# KiCad board AICORS_PCB.kicad_pcb (continued)
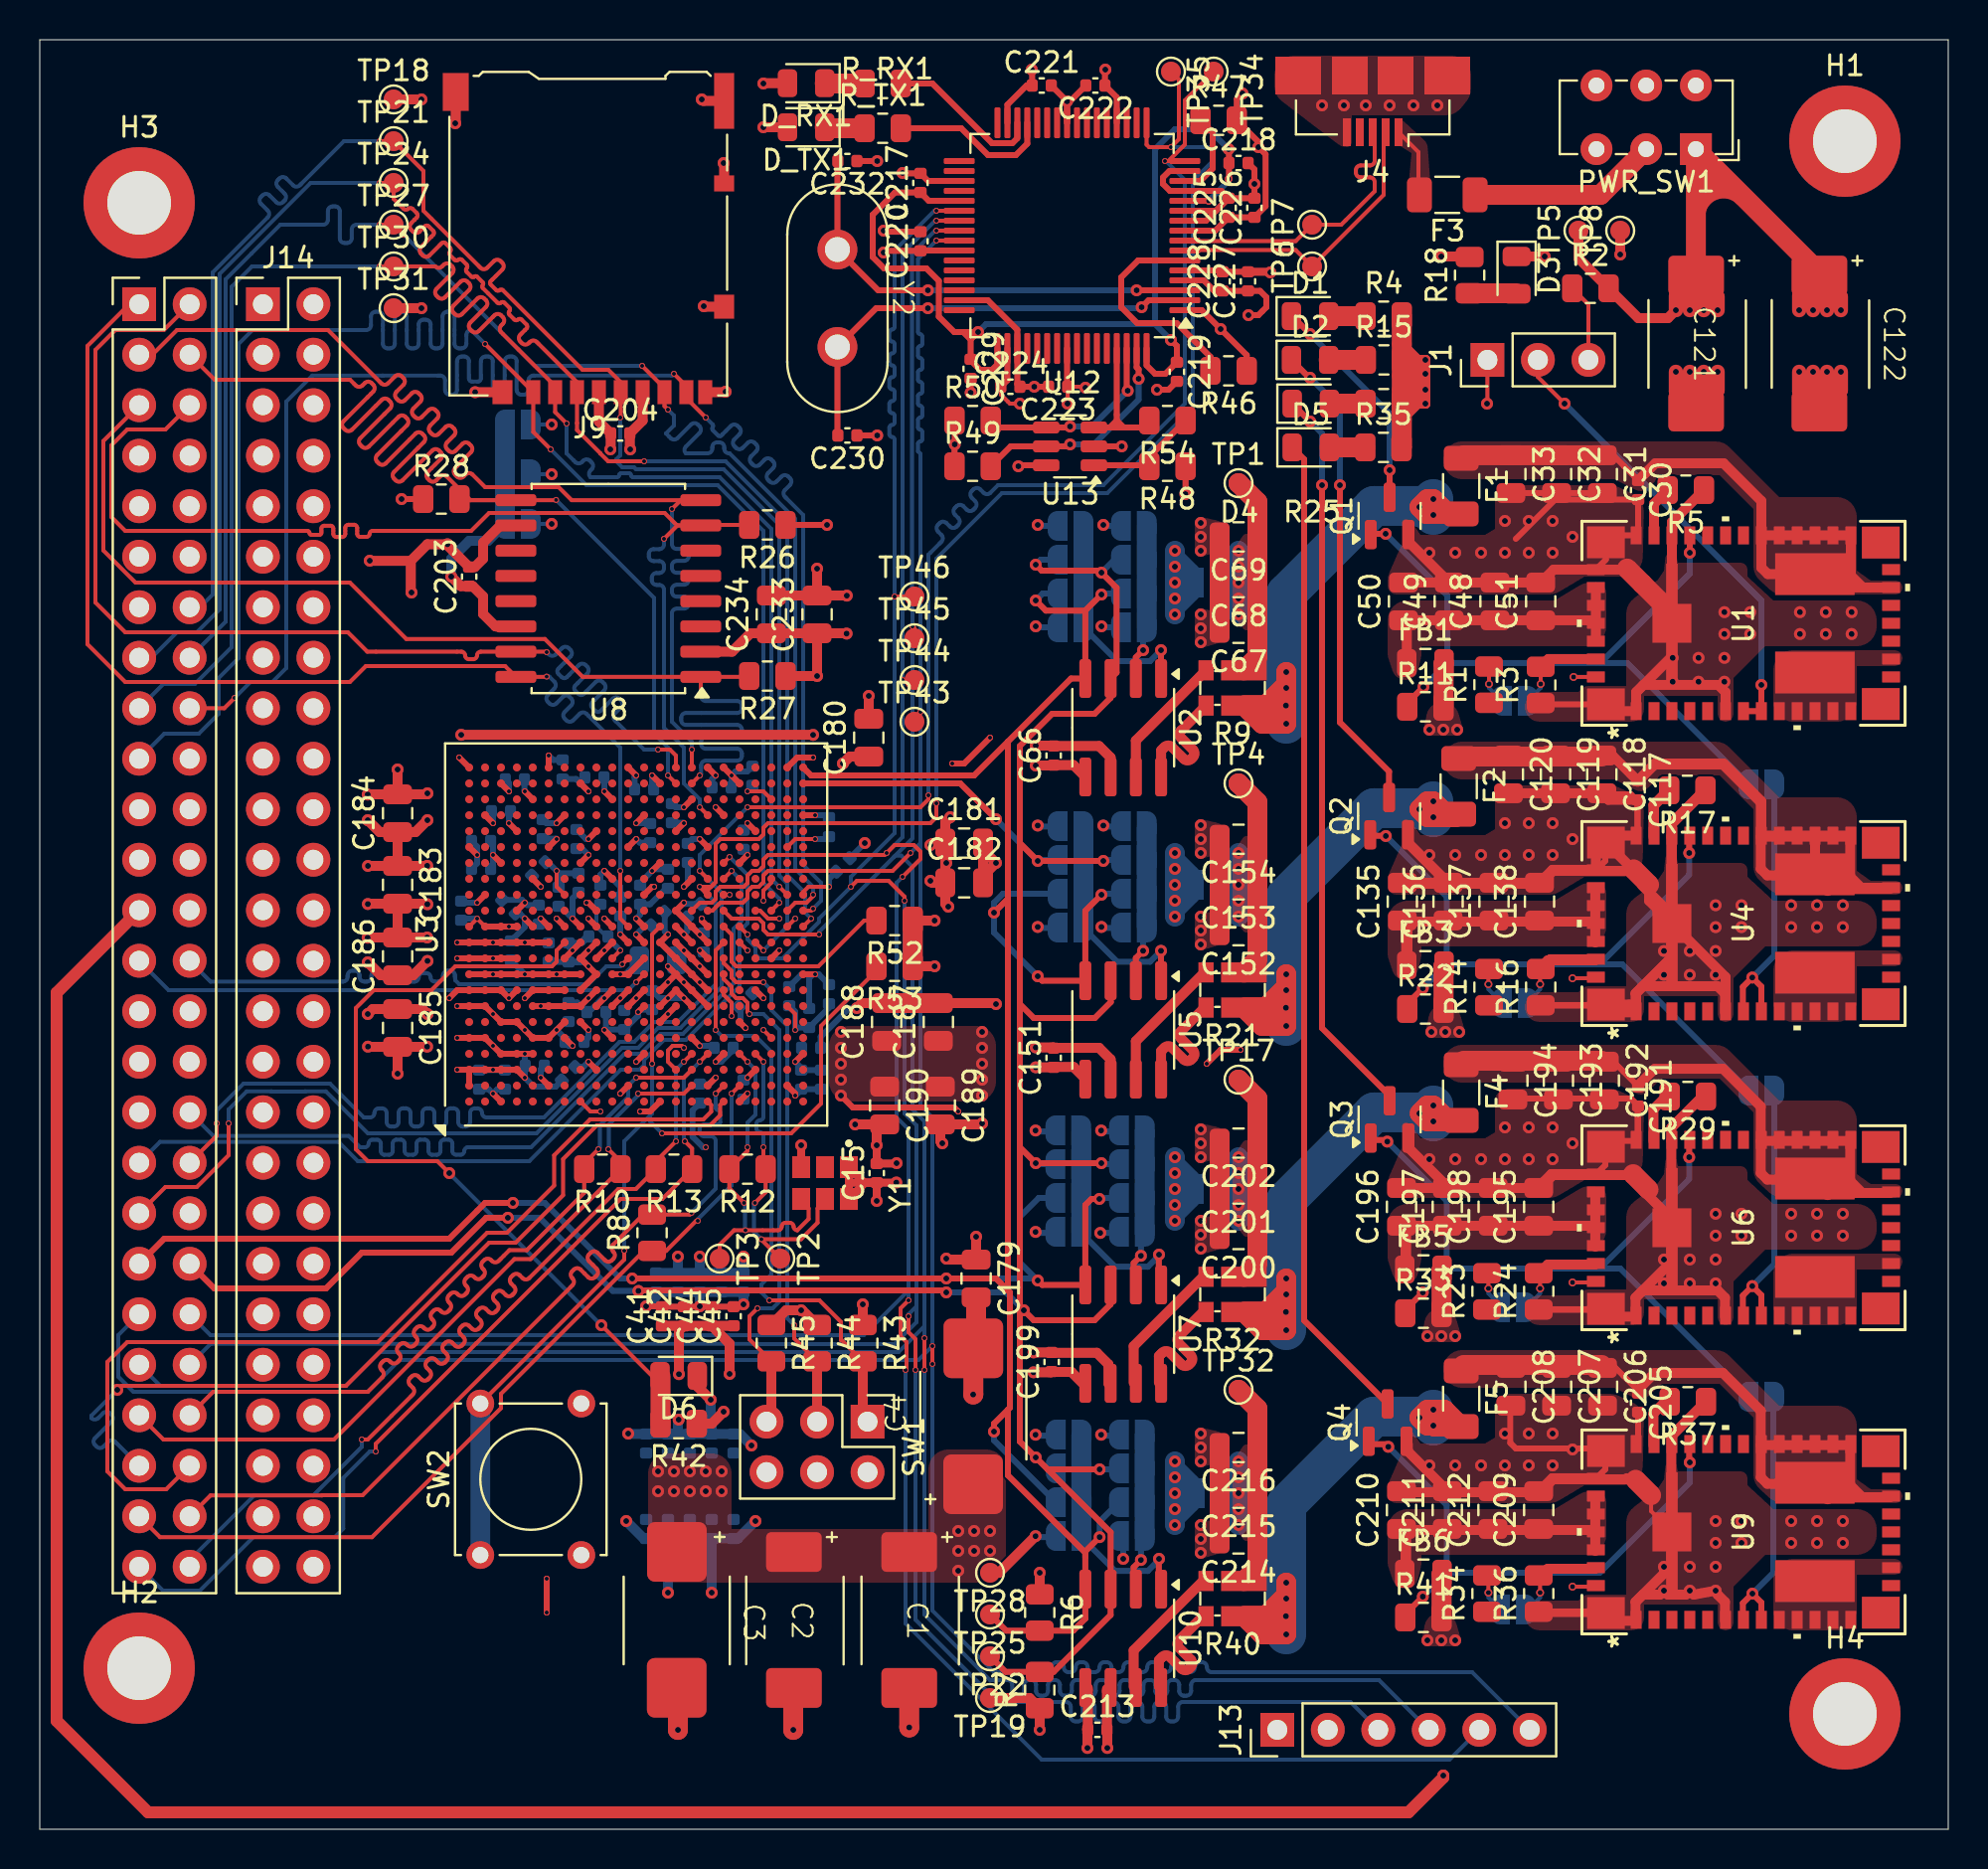
[diagram p0: board, top side]
## Footprints (pads in the part's own frame, mm; a bottom-side part is the same pattern mirrored in y, then rotated) (continued)
XTAL_AX3DAF1-100.0000T
  rect 1.1x0.9 smd: 1(-0.8,1.2) 2(-0.8,0) 3(-0.8,-1.2) 4(0.8,-1.2) 5(0.8,0) 6(0.8,1.2)

## Nets
1V8_VOLTAGE_EN: JP6.1 U6.8 U6.9
1V8_VOLTAGE_TRIM: R23.1
1V_VOLTAGE_EN: JP12.1 U9.8 U9.9
1V_VOLTAGE_TRIM: R34.1
2V5_VOLTAGE_EN: JP3.1 U4.8 U4.9
2V5_VOLTAGE_TRIM: R14.1
3V3_VOLTAGE_EN: J1.2 U1.8 U1.9
3V3_VOLTAGE_TRIM: R1.1
+1.8V: C88.1 C89.1 C90.1 C91.1 C92.1 C93.1 C94.1 C155.1 C156.1 C157.1 C158.1 C159.1 C160.1 C167.1 C168.1 C169.1 C170.1 C171.1 C172.1 C179.1 C180.1 C181.1 C182.1 J10.22 JP9.2 JP11.2 U3.A17 U3.B14 U3.C1 U3.C21 U3.D18 U3.E12 U3.E15 U3.F2 U3.F22 U3.H6 U3.H12 U3.J3 U3.K12 U3.M4 U3.M12 U3.N1 U3.P12 U3.R11 U6.44
+2.5V: C95.1 C96.1 C97.1 C98.1 C99.1 C106.1 C107.1 C108.1 C109.1 C110.1 C187.1 C188.1 C189.1 C190.1 J10.23 JP5.2 U3.AA7 U3.AB4 U3.R5 U3.T2 U3.V6 U3.W3 U4.44
+3.3V: C15.1 C66.1 C123.1 C124.1 C125.1 C126.1 C127.1 C128.1 C139.1 C140.1 C141.1 C142.1 C143.1 C144.1 C151.1 C183.1 C184.1 C185.1 C186.1 C199.1 C204.1 C213.1 C220.1 C221.1 C222.1 C223.1 C224.1 C225.1 C226.1 C227.1 C228.1 C231.1 C233.1 C234.1 D_RX1.2 D_TX1.2 J2.1 J3.1 J5.1 J6.1 J7.1 J8.1 J9.4 J10.13 J10.24 J10.38 J11.1 J12.1 J13.1 JP2.2 JP8.2 R6.1 R7.1 R26.1 R27.1 R28.1 R42.1 R47.2 R48.1 R49.1 R50.1 R52.1 R53.1 SW1.2 SW1.4 SW1.6 TP18.1 TP19.1 U1.44 U2.5 U3.AA17 U3.AB14 U3.F12 U3.G19 U3.H16 U3.J13 U3.K20 U3.L17 U3.M14 U3.N21 U3.P18 U3.R15 U3.T12 U3.T22 U3.U8 U3.U19 U3.V16 U3.W13 U3.Y10 U3.Y20 U5.5 U7.5 U8.2 U10.5 U12.4 U12.9 U12.20 U12.31 U12.42 U12.50 U12.56 U13.6 Y1.1 Y1.6
+5V: C121.1 C122.1 FB1.2 FB3.2 FB5.2 FB6.2 J10.25 PWR_SW1.1 R2.2 R4.2 R11.2 R15.2 R18.2 R22.2 R25.2 R33.2 R35.2 R41.2 TP5.1
/VCCADC: C86.1 C87.1 U3.K10
AGND: FB4.1 U3.K9 U3.L9 U3.M10
AGND_1: NT1.2 R3.1 R5.1 U1.1 U1.2 U1.7 U1.34 U1.45
AGND_2: NT5.2 R24.1 R29.1 U6.1 U6.2 U6.7 U6.34 U6.45
AGND_3: NT3.2 R16.1 R17.1 U4.1 U4.2 U4.7 U4.34 U4.45
AGND_4: NT6.2 R36.1 R37.1 U9.1 U9.2 U9.7 U9.34 U9.45
GND: C1.2 C2.2 C3.2 C4.2 C15.2 C16.2 C17.2 C18.2 C19.2 C20.2 C21.2 C22.2 C23.2 C24.2 C25.2 C26.2 C27.2 C28.2 C29.2 C30.2 C31.2 C32.2 C33.2 C34.2 C35.2 C36.2 C37.2 C38.2 C39.2 C40.2 C41.2 C42.2 C43.2 C44.2 C45.2 C46.2 C47.2 C48.2 C49.2 C50.2 C51.2 C66.2 C67.2 C68.2 C69.2 C86.2 C87.2 C88.2 C89.2 C90.2 C91.2 C92.2 C93.2 C94.2 C95.2 C96.2 C97.2 C98.2 C99.2 C106.2 C107.2 C108.2 C109.2 C110.2 C117.2 C118.2 C119.2 C120.2 C121.2 C122.2 C123.2 C124.2 C125.2 C126.2 C127.2 C128.2 C135.2 C136.2 C137.2 C138.2 C139.2 C140.2 C141.2 C142.2 C143.2 C144.2 C151.2 C152.2 C153.2 C154.2 C155.2 C156.2 C157.2 C158.2 C159.2 C160.2 C167.2 C168.2 C169.2 C170.2 C171.2 C172.2 C179.2 C180.2 C181.2 C182.2 C183.2 C184.2 C185.2 C186.2 C187.2 C188.2 C189.2 C190.2 C191.2 C192.2 C193.2 C194.2 C195.2 C196.2 C197.2 C198.2 C199.2 C200.2 C201.2 C202.2 C203.2 C204.2 C205.2 C206.2 C207.2 C208.2 C209.2 C210.2 C211.2 C212.2 C213.2 C214.2 C215.2 C216.2 C217.2 C218.2 C219.2 C220.2 C221.2 C222.2 C223.2 C224.2 C225.2 C226.2 C227.2 C228.2 C229.2 C230.1 C231.2 C232.1 C233.2 C234.2 D3.1 D6.1 FB4.2 H1.1 H2.1 H3.1 H4.1 J1.1 J2.4 J3.4 J4.5 J4.6 J5.4 J6.4 J7.4 J8.4 J9.6 J9.9 J9.10 J9.11 J10.20 J10.26 J10.33 J11.4 J12.4 J13.2 JP10.2 NT1.1 NT3.1 NT5.1 NT6.1 Q1.2 Q2.2 Q3.2 Q4.2 R43.1 R44.1 R45.1 R46.1 SW2.2 TP8.1 TP28.1 TP31.1 U1.36 U1.37 U1.38 U2.6 U3.A2 U3.A3 U3.A5 U3.A7 U3.A8 U3.A9 U3.A10 U3.A11 U3.A12 U3.A22 U3.AA2 U3.AA12 U3.AA22 U3.AB9 U3.AB19 U3.B3 U3.B5 U3.B7 U3.B8 U3.B9 U3.B10 U3.B11 U3.B12 U3.B19 U3.C3 U3.C4 U3.C6 U3.C8 U3.C9 U3.C10 U3.C11 U3.C12 U3.C16 U3.D3 U3.D4 U3.D6 U3.D8 U3.D9 U3.D10 U3.D11 U3.D12 U3.D13 U3.E4 U3.E5 U3.E7 U3.E8 U3.E9 U3.E11 U3.E20 U3.F5 U3.F7 U3.F8 U3.F9 U3.F11 U3.F17 U3.G5 U3.G6 U3.G7 U3.G8 U3.G9 U3.G10 U3.G12 U3.G14 U3.H1 U3.H7 U3.H9 U3.H11 U3.H21 U3.J8 U3.J10 U3.J12 U3.J18 U3.K5 U3.K7 U3.K11 U3.K15 U3.L2 U3.L8 U3.L22 U3.M7 U3.M11 U3.M19 U3.N6 U3.N8 U3.N16 U3.P3 U3.P7 U3.P9 U3.P11 U3.P13 U3.R8 U3.R10 U3.R12 U3.R20 U3.T7 U3.T9 U3.T11 U3.T17 U3.U4 U3.U14 U3.U22 U3.V1 U3.V11 U3.V21 U3.W8 U3.W18 U3.Y5 U3.Y15 U4.36 U4.37 U4.38 U5.6 U6.36 U6.37 U6.38 U7.6 U8.10 U9.36 U9.37 U9.38 U10.6 U12.1 U12.5 U12.10 U12.11 U12.13 U12.15 U12.25 U12.35 U12.47 U12.51 U13.2 Y1.3
VCCINT: C1.1 C2.1 C3.1 C4.1 C16.1 C17.1 C18.1 C19.1 C20.1 C21.1 C22.1 C23.1 C24.1 C25.1 C26.1 C27.1 C28.1 C29.1 C34.1 C35.1 C36.1 C37.1 C38.1 C39.1 C40.1 C41.1 C42.1 C43.1 C44.1 C45.1 C46.1 C47.1 J10.21 JP14.2 U3.H8 U3.H10 U3.J7 U3.J9 U3.J11 U3.K8 U3.L7 U3.L11 U3.M8 U3.N7 U3.N11 U3.P8 U3.P10 U3.R7 U3.R9 U3.T8 U3.T10 U9.44
ADC_IN_N: J10.27 U3.M9
ADC_IN_P: J10.28 U3.L10
ADC_P_1: U3.J16
ADC_P_2: U3.J14
ADC_P_3: U3.J22
ADC_P_4: U3.K21
FPAG_M0: R43.2 SW1.1 U3.U11
FPGA_DONE: D6.2 R42.2 U3.G11
FPGA_M1: R44.2 SW1.3 U3.U10
FPGA_M2: R45.2 SW1.5 U3.U9
IIC_SCL: J2.3 J3.3 J5.3 J6.3 J7.3 J8.3 J10.39 J11.3 J12.3 R6.2 TP25.1 U2.4 U3.AB22 U5.4 U7.4 U10.4
IIC_SDA: J2.2 J3.2 J5.2 J6.2 J7.2 J8.2 J10.40 J11.2 J12.2 R7.2 TP22.1 U2.3 U3.AB21 U5.3 U7.3 U10.3
JTAG_TCK: J10.44 J13.3 TP46.1 U3.V12 U12.38
JTAG_TDI: J10.42 J13.5 TP44.1 U3.R13 U12.39
JTAG_TDO: J10.43 J13.4 TP45.1 U3.U13 U12.40
JTAG_TMS: J10.41 J13.6 TP43.1 U3.T13 U12.41
PWR_GOOD_1V: Q4.1 R41.1 U9.33
PWR_GOOD_1V8: JP12.2 Q3.1 R33.1 U6.33
PWR_GOOD_2V5: JP6.2 Q2.1 R22.1 U4.33
PWR_GOOD_3V3: JP3.2 Q1.1 R11.1 U1.33
SD_CLK_SPI_3_SCK: J9.5 J10.14 TP21.1 U3.W11
SD_CMD_SPI_3_MOSI: J9.3 J10.15 TP24.1 U3.AB12
SD_DAT0_SPI_3_MISO: J9.7 J10.16 TP27.1 U3.AA13
SD_DAT1: J9.8 J10.18 U3.AB13
SD_DAT2: J9.1 J10.19 U3.Y13
SD_DAT3_SPI_3_CS: J9.2 J10.17 TP30.1 U3.AA14
SPI_1_CS_FLASH: J10.6 R26.2 U3.T19 U8.7
SPI_1_IO2: J10.4 R28.2 U3.P21 U8.9
SPI_1_IO3: J10.5 R27.2 U3.R21 U8.1
SPI_1_MISO_IO1: J10.3 U3.R22 U8.8
SPI_1_MOSI_IO0: J10.2 U3.P22 U8.15
SPI_1_SCK: J10.1 U3.L12 U8.16
SPI_2_CS: U3.AA21
SPI_2_MISO_IO1: U3.AA20
SPI_2_MOSI_IO0: U3.W22
SPI_2_SCK: U3.W21
SPI_CS_N: J10.45 R10.1 U3.R2
SPI_CS_P: J10.46 R10.2 U3.R3
SPI_MISO_IO1_N: J10.47 U3.U1
SPI_MISO_IO1_P: J10.48 U3.T1
SPI_MOSI_IO0_N: J10.49 R8.1 U3.V2
SPI_MOSI_IO0_P: J10.50 R8.2 U3.U2
SPI_SCK_N: J10.51 R13.1 U3.T4
SPI_SCK_P: J10.52 R13.2 U3.R4
SYS_CLK_N: R12.1 TP2.1 U3.W4 Y1.5
SYS_CLK_P: R12.2 TP3.1 U3.V4 Y1.4
UART_1_RX: J10.36 TP35.1 U3.T14 U12.17
UART_1_TX: J10.37 TP34.1 U3.T15 U12.16
UART_2_RX: J10.34 U3.U15
UART_2_TX: J10.35 U3.U16
USB_1V8: C217.1 C218.1 C219.1 C229.1 U12.12 U12.37 U12.49 U12.64
USB_DATA_N: J4.2 TP6.1 U12.7
USB_DATA_P: J4.3 TP7.1 U12.8
Net-(C30-Pad1): C30.1 C31.1 C32.1 C33.1 F1.1 U1.21 U1.24 U1.25 U1.26 U1.27 U1.28 U1.29 U1.47
Net-(C117-Pad1): C117.1 C118.1 C119.1 C120.1 F2.1 U4.21 U4.24 U4.25 U4.26 U4.27 U4.28 U4.29 U4.47
Net-(C191-Pad1): C191.1 C192.1 C193.1 C194.1 F4.1 U6.21 U6.24 U6.25 U6.26 U6.27 U6.28 U6.29 U6.47
Net-(C205-Pad1): C205.1 C206.1 C207.1 C208.1 F5.1 U9.21 U9.24 U9.25 U9.26 U9.27 U9.28 U9.29 U9.47
Net-(D1-A): D1.2 R4.1
Net-(D1-K): D1.1 Q1.3
Net-(D2-A): D2.2 R15.1
Net-(D2-K): D2.1 Q2.3
Net-(D3-A): D3.2 R18.1
Net-(D4-A): D4.2 R25.1
Net-(D4-K): D4.1 Q3.3
Net-(D5-A): D5.2 R35.1
Net-(D5-K): D5.1 Q4.3
Net-(D_RX1-K): D_RX1.1 R_RX1.1
Net-(D_TX1-K): D_TX1.1 R_TX1.1
Net-(F1-Pad2): F1.2 R9.1
Net-(F2-Pad2): F2.2 R21.1
Net-(F4-Pad2): F4.2 R32.1
Net-(F5-Pad2): F5.2 R40.1
Net-(J1-Pin_3): J1.3 R2.1
Net-(J4-VBUS): F3.2 J4.1
Net-(JP1-A): JP1.1 R3.2 U1.43
Net-(JP1-B): JP1.2 R1.2
Net-(JP2-A): C67.1 C68.1 C69.1 JP2.1 R9.4 TP1.1
Net-(JP4-A): JP4.1 R16.2 U4.43
Net-(JP4-B): JP4.2 R14.2
Net-(JP5-A): C152.1 C153.1 C154.1 JP5.1 R21.4 TP4.1
Net-(JP7-A): JP7.1 R24.2 U6.43
Net-(JP7-B): JP7.2 R23.2
Net-(JP10-A): C203.1 JP8.1 JP9.1 JP10.1 U8.14
Net-(JP11-A): C200.1 C201.1 C202.1 JP11.1 R32.4 TP17.1
Net-(JP13-A): JP13.1 R36.2 U9.43
Net-(JP13-B): JP13.2 R34.2
Net-(JP14-A): C214.1 C215.1 C216.1 JP14.1 R40.4 TP32.1
Net-(PWR_SW1-B): F3.1 PWR_SW1.2
Net-(U1-PH-Pad10): U1.10 U1.11 U1.12 U1.13 U1.14 U1.17 U1.46
Net-(U1-RT/CLK): R5.2 U1.35
Net-(U1-VIN): C48.1 C49.1 C50.1 C51.1 FB1.1 U1.39 U1.40 U1.41 U1.42
Net-(U2-A0): J3.5 U2.2
Net-(U2-A1): J2.5 U2.1
Net-(U2-IN+): R9.2 U2.8
Net-(U2-IN-): R9.3 U2.7
Net-(U3F-INIT_B_0): R52.2 U3.U12
Net-(U3F-PROGRAM_B_0): R53.2 SW2.1 U3.N12
Net-(U4-PH-Pad10): U4.10 U4.11 U4.12 U4.13 U4.14 U4.17 U4.46
Net-(U4-RT/CLK): R17.2 U4.35
Net-(U4-VIN): C135.1 C136.1 C137.1 C138.1 FB3.1 U4.39 U4.40 U4.41 U4.42
Net-(U5-A0): J6.5 U5.2
Net-(U5-A1): J5.5 U5.1
Net-(U5-IN+): R21.2 U5.8
Net-(U5-IN-): R21.3 U5.7
Net-(U6-PH-Pad10): U6.10 U6.11 U6.12 U6.13 U6.14 U6.17 U6.46
Net-(U6-RT/CLK): R29.2 U6.35
Net-(U6-VIN): C195.1 C196.1 C197.1 C198.1 FB5.1 U6.39 U6.40 U6.41 U6.42
Net-(U7-A0): J8.5 U7.2
Net-(U7-A1): J7.5 U7.1
Net-(U7-IN+): R32.2 U7.8
Net-(U7-IN-): R32.3 U7.7
Net-(U9-PH-Pad10): U9.10 U9.11 U9.12 U9.13 U9.14 U9.17 U9.46
Net-(U9-RT/CLK): R37.2 U9.35
Net-(U9-VIN): C209.1 C210.1 C211.1 C212.1 FB6.1 U9.39 U9.40 U9.41 U9.42
Net-(U10-A0): J12.5 U10.2
Net-(U10-A1): J11.5 U10.1
Net-(U10-IN+): R40.2 U10.8
Net-(U10-IN-): R40.3 U10.7
Net-(U12-ACBUS3): R_TX1.2 U12.29
Net-(U12-ACBUS4): R_RX1.2 U12.30
Net-(U12-EECLK): R50.2 U12.62 U13.4
Net-(U12-EECS): R49.2 U12.63 U13.5
Net-(U12-EEDATA): R54.2 U12.61 U13.3
Net-(U12-OSCI): C230.2 U12.2 Y2.2
Net-(U12-OSCO): C232.2 U12.3 Y2.1
Net-(U12-REF): R46.2 U12.6
Net-(U12-~{RESET}): R47.1 U12.14
Net-(U13-DO): R48.2 R54.1 U13.1

Pads without a net: J4 4; J10 7 8 9 10 11 12 29 30 31 32; J14 1 2 3 4 5 6 7 8 9 10 11 12 13 14 15 16 17 18 19 20 21 22 23 24 25 26 27 28 29 30 31 32 33 34 35 36 37 38 39 40 41 42 43 44 45 46 47 48 49 50 51 52; PWR_SW1 3 4 5 6; U1 3 4 5 6 15 16 18 19 20 22 23 30 31 32; U3 A1 A4 A6 A13 A14 A15 A16 A18 A19 A20 A21 AA1 AA3 AA4 AA5 AA6 AA8 AA9 AA10 AA11 AA15 AA16 AA18 AA19 AB1 AB2 AB3 AB5 AB6 AB7 AB8 AB10 AB11 AB15 AB16 AB17 AB18 AB20 B1 B2 B4 B6 B13 B15 B16 B17 B18 B20 B21 B22 C2 C5 C7 C13 C14 C15 C17 C18 C19 C20 C22 D1 D2 D5 D7 D14 D15 D16 D17 D19 D20 D21 D22 E1 E2 E3 E6 E10 E13 E14 E16 E17 E18 E19 E21 E22 F1 F3 F4 F6 F10 F13 F14 F15 F16 F18 F19 F20 F21 G1 G2 G3 G4 G13 G15 G16 G17 G18 G20 G21 G22 H2 H3 H4 H5 H13 H14 H15 H17 H18 H19 H20 H22 J1 J2 J4 J5 J6 J15 J17 J19 J20 J21 K1 K2 K3 K4 K6 K13 K14 K16 K17 K18 K19 K22 L1 L3 L4 L5 L6 L13 L14 L15 L16 L18 L19 L20 L21 M1 M2 M3 M5 M6 M13 M15 M16 M17 M18 M20 M21 M22 N2 N3 N4 N5 N9 N10 N13 N14 N15 N17 N18 N19 N20 N22 P1 P2 P4 P5 P6 P14 P15 P16 P17 P19 P20 R1 R6 R14 R16 R17 R18 R19 T3 T5 T6 T16 T18 T20 T21 U3 U5 U6 U7 U17 U18 U20 U21 V3 V5 V7 V8 V9 V10 V13 V14 V15 V17 V18 V19 V20 V22 W1 W2 W5 W6 W7 W9 W10 W12 W14 W15 W16 W17 W19 W20 Y1 Y2 Y3 Y4 Y6 Y7 Y8 Y9 Y11 Y12 Y14 Y16 Y17 Y18 Y19 Y21 Y22; U4 3 4 5 6 15 16 18 19 20 22 23 30 31 32; U6 3 4 5 6 15 16 18 19 20 22 23 30 31 32; U8 3 4 5 6 11 12 13; U9 3 4 5 6 15 16 18 19 20 22 23 30 31 32; U12 18 19 21 22 23 24 26 27 28 32 33 34 36 43 44 45 46 48 52 53 54 55 57 58 59 60; Y1 2

## Via types
v1: diameter 0.3, hole 0.2, Top to Bottom, 237 vias
v2: diameter 0.6, hole 0.3, Top to Bottom, 457 vias
v3: diameter 0.4, hole 0.25, Top to Bottom, 14 vias
v4: diameter 0.5, hole 0.3, Top to Bottom, 20 vias

## Routing (per net, layer and track width the routed paths; a pad name or vN(x,y) marks a point on that pad's centre or on a via; arc(x,y) is an arc through that point)
1V8_VOLTAGE_EN: length 13.7
  Top w0.3: 85.67,25.78 85.67,26.84 v2(86.14,27.32) 86.6,26.86 U6.9
  Bottom w0.3: v2(86.14,27.32) 87.25,28.42 JP6.1
1V_VOLTAGE_EN: length 13.4
  Top w0.3: 85.67,10.48 85.67,11.37 v2(86.15,11.85) 86.6,11.4 U9.9
  Bottom w0.3: v2(86.15,11.85) 87.2,12.9 87.2,21.7 JP12.1
2V5_VOLTAGE_EN: length 14
  Top w0.3: U4.9 86.6,42.38 v2(86.14,42.84) 85.67,42.36 85.67,41.08
  Bottom w0.3: v2(86.14,42.84) 87.25,43.94 JP3.1
3V3_VOLTAGE_EN: length 23.2
  Top w0.2: v2(76.7,71.7) 75.36,73.04 J1.2
  Top w0.3: U1.8 U1.9 v2(86.6,57.55)
  Bottom w0.3: v2(86.6,57.55) 86.6,61.8 v2(76.7,71.7)
+1.8V: length 132
  Top w0.2: v3(77.1,27.5) 78.24,27.5
  Top w0.3: U3.K12 v1(28.4,45.8) ; U3.E15 v1(25.2,47.4) ; U3.J3 v1(27.6,38.6) ; U3.B14 v1(22,46.6) ; U3.M12 v1(30,45.8) ; v1(45.9,53.6) 46.5,53.6 v1(47.8,54.9) ; U3.D18 v1(23.6,50.6) ; U3.M4 v1(30,38.6) ; U3.P12 v1(32.4,45) U3.R11 ; U3.F2 v1(25.2,37.8) ; U3.H12 v1(26.8,45.8) ; U3.C21 v1(23.6,52.2) ; U3.N1 30.7,36.1 v1(30.2,36.1) ; U3.H6 v1(27.6,40.2) ; U3.C1 v1(22.8,37) ; U3.F22 v1(25.6,54) ; U3.E12 v1(24.4,45.8) ; U3.A17 v1(22,49)
  Top w0.5: C180.1 40.75,53.95 v2(40.4,53.6) ; C181.1 44.9,49.6 v2(44.8,49.5) ; C181.1 45.55,50.65 v2(45.8,50.9) ; C181.1 45.55,48.65 v2(45.6,48.6) 45.55,48.55 C182.1 ; v2(45.7,46.4) 45.55,46.55 C182.1 ; C182.1 44.9,47.6 v2(44.8,47.7) ; v2(47.1,29.8) C179.1 45.65,28.65 v2(45.6,28.7)
  In4.Cu w0.3: v3(77.1,27.5) 71.45,33.15 64.45,33.15 59.4,38.2 59.4,52.1 56.3,55.2 48.1,55.2 v1(47.8,54.9)
  In4.Cu w0.5: v2(25.75,68.15) 27,66.9 27,62.1 22.3,57.4 22.3,53.7 ; J10.22 8.74,50.1 20.8,50.1
  Bottom w0.2: JP9.2 v2(25.75,68.15)
  Bottom w0.3: C93.1 32.56,45.16 v1(32.4,45) ; C159.1 23.6,52.62 v1(23.6,52.2) ; v1(25.2,47.4) 24.76,47.84 C167.1 ; C92.1 26.8,46.82 v1(26.8,45.8) 26.18,46.42 C91.1 ; C157.1 22,49.42 v1(22,49) 22,48.58 C156.1 ; C88.1 24.4,45.38 v1(24.4,45.8) 24.14,46.06 C89.1 ; C155.1 25.82,53.78 v1(25.6,54) ; v1(27.6,40.2) 27.6,39.82 C171.1 ; v1(25.2,37.8) 25.2,38.22 C172.1 ; v1(27.6,38.6) 27.34,38.34 C169.1 ; v1(23.6,50.6) 23.6,51.12 C168.1 ; v1(30,45.8) 30.2,46 C90.1 30.7,46.52 31.5,47.32 ; C160.1 22.58,37.22 v1(22.8,37) 23.02,37.22 C170.1 ; v1(22,46.6) 21.28,46.6 C158.1
  Bottom w0.5: v2(57.1,30.6) 58.05,31.55 JP11.2 58.05,32.85 v2(57.1,33.8)
  Bottom w1: v2(57.1,33) 57.25,33 JP11.2 57.9,32.2 v2(57.1,31.4) ; v2(57.1,30.6) v2(57.1,33.8)
  vias: v2(57.1,32.2)
+2.5V: length 127.2
  Top w0.2: U3.AA7 38,41 v1(38,40.2) ; v3(77.1,42.8) 78.24,42.8
  Top w0.3: U3.AB4 v1(38,38.6) ; v1(60.4,39.2) 59.4,39.2 v1(58.7,38.5) ; U3.R5 v1(33.2,39.4) ; v2(40.3,36.9) 40.9,36.3 46,36.3 v1(46.2,36.1) ; U3.V6 v1(35.5,40.3) ; U3.W3 v1(35.6,37.8) ; U3.T2 v1(34,37.8)
  Top w0.5: v2(38.9,55.04) 38.9,55.04 v2(21.2,55.04)
  In4.Cu w0.3: v1(46.2,36.1) 46.2,35.7 47.31,34.59 51.79,34.59 51.8,34.6 51.81,34.59 54.79,34.59 54.8,34.6 56.6,34.6 58.7,36.7 v1(58.7,38.5) ; v1(60.4,39.2) 73,39.2 76.6,42.8 v3(77.1,42.8)
  In4.Cu w0.5: v2(47.4,40.1) 47.3,40.2 47.3,54.1 46.36,55.04 v2(38.9,55.04) ; J10.23 6.2,49.96 6.2,52 6.7,52.5 7.9,52.5 10.44,55.04 v2(21.2,55.04)
  Bottom w0.3: C97.1 39.7,41.32 C110.1 38.12,40.32 v1(38,40.2) 38,41.12 C106.1 ; v1(35.6,37.8) 35.48,37.68 35.3,37.68 ; C99.1 33.68,37.48 v1(34,37.8) ; C95.1 38.42,38.18 v1(38,38.6) 38.32,38.92 C96.1 ; 33.92,39.2 33.72,39.4 v1(33.2,39.4) ; v1(35.5,40.3) 35.25,40.55 35.25,41.27 C98.1
  Bottom w0.5: v2(57.1,49.1) 58.05,48.15 JP5.2 58.05,46.85 v2(57.1,45.9)
  Bottom w1: v2(57.1,46.7) 57.9,47.5 JP5.2 57.25,48.3 v2(57.1,48.3) ; v2(57.1,45.9) v2(57.1,49.1)
  vias: v2(40.3,40.1) v2(40.3,39.3) v2(40.3,38.5) v2(40.3,37.7) v2(47.4,39.3) v2(47.4,38.5) v2(47.4,37.7) v2(47.4,36.9) v2(57.1,47.5)
+3.3V: length 204.1
  Top w0.2: U3.AB14 38.4,47.14 38.66,47.4 v1(39.7,47.4) ; U3.Y20 36.4,52.2 v1(35.6,52.2) ; v1(37.2,45.8) 36.63,45.8 36.23,46.2 U3.W13 ; C224.1 48.35,72.16 48.8,71.7 v2(49.3,71.7) ; v3(77.15,57.95) U1.44 ; v2(51.7,71.7) 51.71,71.71 C223.1 52.55,72.55 v2(52.6,72.5) ; v1(39,49.8) 38,49.8 U3.AA17 ; v1(34.8,40.9) 34.8,41.57 34.4,41.97 U3.U8
  Top w0.3: v2(49.9,88.5) 49.92,88.48 C221.1 49.64,87.7 48.68,86.73 U12.31 ; U3.F12 v1(25.2,45.8) ; C223.1 51.68,72.58 U12.56 ; v1(27.5,46.6) 27.6,46.6 U3.J13 ; U3.P18 v1(32.4,50.6) ; v2(60.5,87.3) 60.21,87.01 R47.2 61.3,84.86 v2(61.3,84.6) 61.66,84.24 61.66,81.63 C226.1 C225.1 59.13,80.4 U12.9 ; R26.1 v2(39.6,65.6) ; U3.R15 v1(32.4,47.4) ; v2(49.23,68.55) 49.27,68.6 U13.6 ; U3.V16 v1(35.6,49) ; U3.G19 v1(26,50.6) ; R50.1 46.02,70.84 v2(46.02,69.65) 46.01,69.64 R49.1 ; v1(33.3,45.8) 33.3,45.7 U3.T12 ; v2(60.8,76.15) 61.3,76.15 61.7,76.55 61.7,77.05 61.38,77.37 C227.1 59.08,77.37 58.55,77.9 U12.4 ; v1(30.9,47.4) 30.8,47.4 U3.M14 ; U3.K20 v1(28.4,52.2) ; v2(18.2,66.9) R28.1 ; U3.H16 v1(27.6,49) ; U12.42 44.32,79.4 C220.1 42.54,79.39 v2(42.45,79.3) ; U3.N21 v1(30.8,53) ; v2(53.6,88.5) 53.58,88.48 C222.1 54.18,87.11 U12.20 ; C224.1 48.68,72.88 U12.50 ; U3.T22 v1(34,53) ; U3.U19 v1(34,51.4) ; R48.1 57.64,67.16 ; U3.L17 v1(30,49.8) ; U3.Y10 v1(37.2,44.2)
  Top w0.4: 40.7,32.5 Y1.6 41.52,32.52 C15.1 ; 40.7,32.5 40.72,32.52 C15.1 ; 40.7,32.5 Y1.1 41.48,32.52 C15.1 ; C15.1 v2(42.1,31.6) ; C15.1 43.08,32.52 v2(43.09,32.53)
  Top w0.5: v2(50.1,53.5) 50.98,53.5 C66.1 52,53.52 U2.5 ; v2(49.99,22.98) 50.87,22.98 50.89,23 51.89,23 52.49,22.41 ; C183.1 C184.1 ; C183.1 19.48,48.45 v2(19.49,48.46) ; C183.1 v2(16.51,48.45) ; C184.1 18.9,50.15 v2(19.5,50.75) ; C184.1 17.1,50.15 v2(16.5,50.75) ; v2(34.4,21) 33.8,20.4 R42.1 ; R27.1 v2(39.1,58) C233.1 ; v2(50.1,38.32) 50.98,38.32 51,38.34 52,38.34 52.6,37.75 ; 52.72,7 52.6,7.12 ; 52.68,5.03 52.7,5.01 ; TP18.1 v2(19.2,87) ; v2(19.5,43.67) 18.78,42.95 C186.1 17.15,42.95 v2(16.5,43.6) ; D_RX1.2 36.41,87.82 v2(36.4,87.8) ; J9.4 28.12,70.8 C204.1 28.72,69.42 v2(28.7,69.4) ; v2(19.5,41) 19.25,41.25 C185.1 16.75,41.25 v2(16.5,41) ; 33.27,59.25 U8.2 34.83,59.23 35.75,60.15 C234.1 C233.1 ; C233.1 40.57,60.15 ; R53.1 v2(45.01,43.4) ; R52.1 v2(45.01,45.7) ; v2(52.7,4.09) 52.7,4.97 ; TP19.1 49.79,6.6 R7.1 v2(50.3,5) ; R6.1 v2(50.3,12.9) ; D_TX1.2 v2(36.4,85.6) ; C213.1 52.72,7.11
  Top w1: R53.1 R52.1
  In4.Cu w0.3: v1(28.4,52.2) 28.4,53.4 30.6,55.6 58.3,55.6 61.85,59.15 71.65,59.15 71.7,59.2 75.91,59.2 v3(77.15,57.95)
  Bottom w0.2: JP8.2 v2(25.75,65.65)
  Bottom w0.3: C143.1 35.85,52.45 v1(35.6,52.2) ; C140.1 39.7,47.8 v1(39.7,47.4) ; 51.09,19.79 50.14,19.79 v2(50.09,19.84) ; v1(32.4,50.6) 32.38,50.62 C124.1 ; v2(50.2,50.48) 50.25,50.43 51.2,50.43 ; v1(26,50.6) 25.48,50.6 C123.1 ; v2(53.5,50.48) 53.55,50.43 54.39,50.43 ; v1(39,49.8) 39.58,49.8 C141.1 ; v1(25.2,45.8) 25.1,45.7 C139.1 ; v1(30.8,53) 30.8,52.38 C142.1 ; v2(50.09,35.14) 50.14,35.09 51.09,35.09 ; C127.1 32.6,47.6 v1(32.4,47.4) ; v1(27.6,49) 27.28,49.32 C231.1 ; v2(53.5,65.6) 53.55,65.55 J3.1 ; 54.28,19.79 53.44,19.79 v2(53.39,19.84) ; v2(53.39,35.14) 53.44,35.09 54.28,35.09 ; C128.1 33.82,52.82 v1(34,53) ; v1(30,49.8) 30.18,49.62 C125.1 ; J2.1 50.25,65.55 v2(50.2,65.6) ; C126.1 28.4,52.88 v1(28.4,52.2)
  Bottom w0.5: v2(57.1,64.3) 58.05,63.35 JP2.2 58.05,62.05 v2(57.1,61.1)
  Bottom w1: v2(57.1,63.5) 57.25,63.5 JP2.2 57.9,62.7 v2(57.1,61.9) ; v2(57.1,61.1) v2(57.1,64.3)
  vias: v2(40.59,60.13) v2(57.1,62.7) v2(57.63,67.15)
